# KiCad board sample013-sdi-mipi-video-converter.kicad_pcb (continued)
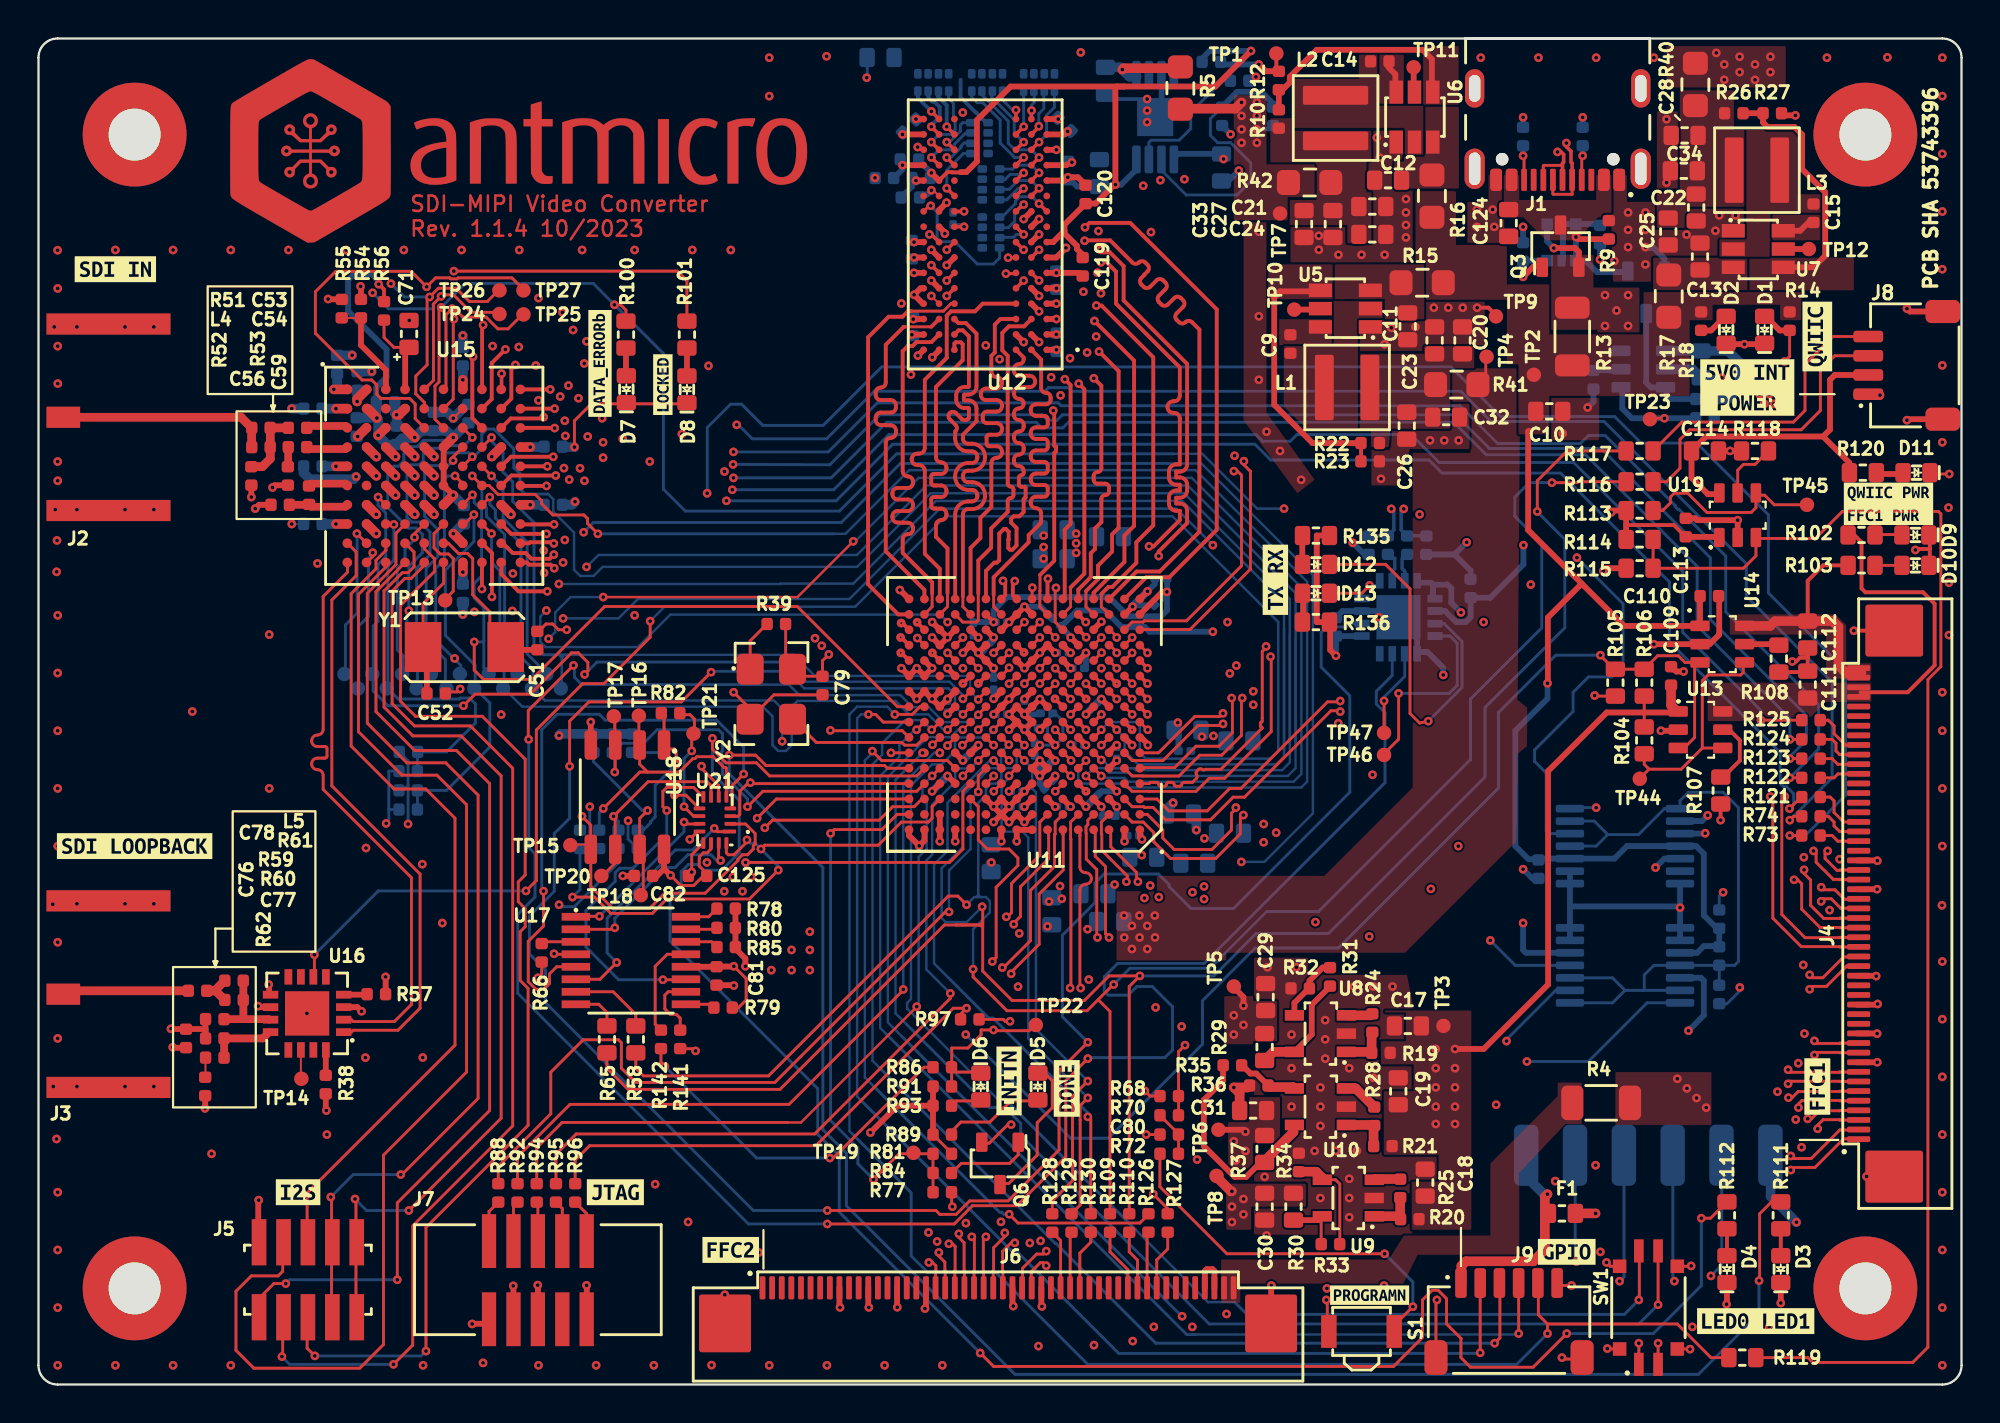
[diagram p0: board, top side]
## Placement (name value [footprint] x y rotation side) (continued)
R137  R_1k_0402  [R_0402_1005Metric]  19.22 30.9 180 bottom
R138  R_1k_0402  [R_0402_1005Metric]  19.22 29.9 0 bottom  (not fitted)
R139  R_1k_0402  [R_0402_1005Metric]  19.24 32.9 180 bottom
R140  R_1k_0402  [R_0402_1005Metric]  19.22 31.9 0 bottom  (not fitted)
R141  R_0R_0402  [R_0402_1005Metric]  33.37 17.95 90 top
R142  R_0R_0402  [R_0402_1005Metric]  32.37 17.95 270 top
S1  SW_B3U-3000PM  [SW_B3U-3000PM_SMD]  68.8 2.41 0 top
SW1  SW_CVS-02B  [SW_DIP_SPSTx02_Slide_Copal_CVS-02xB_W5.9mm_P1mm]  83.72 4 90 top
TP1  TP_0.75mm_SMD  [TP_SMD_0.75mm]  64.37 69.22 0 top
TP2  TP_0.75mm_SMD  [TP_SMD_0.75mm]  77.76 52.51 90 top
TP3  TP_0.75mm_SMD  [TP_SMD_0.75mm]  73.06 18.65 90 top
TP4  TP_0.75mm_SMD  [TP_SMD_0.75mm]  75.3 53.45 90 top
TP5  TP_0.75mm_SMD  [TP_SMD_0.75mm]  62.16 20.7 90 top
TP6  TP_0.75mm_SMD  [TP_SMD_0.75mm]  61.36 13.25 90 top
TP7  TP_0.75mm_SMD  [TP_SMD_0.75mm]  64.56 60.9 90 top
TP8  TP_0.75mm_SMD  [TP_SMD_0.75mm]  61.26 10.85 90 top
TP9  TP_0.75mm_SMD  [TP_SMD_0.75mm]  75.79 55.55 0 top
TP10  TP_0.75mm_SMD  [TP_SMD_0.75mm]  65.3 55.9 90 top
TP11  TP_0.75mm_SMD  [TP_SMD_0.75mm]  71.51 68.5 0 top
TP12  TP_0.75mm_SMD  [TP_SMD_0.75mm]  92.06 59.05 270 top
TP13  TP_0.75mm_SMD  [TP_SMD_0.75mm]  21.15 40.78 0 top
TP14  TP_0.75mm_SMD  [TP_SMD_0.75mm]  13.67 15.9 0 top
TP15  TP_0.75mm_SMD  [TP_SMD_0.75mm]  27.66 28.05 270 top
TP16  TP_0.75mm_SMD  [TP_SMD_0.75mm]  31.22 34.78 270 top
TP17  TP_0.75mm_SMD  [TP_SMD_0.75mm]  29.92 34.75 270 top
TP18  TP_0.75mm_SMD  [TP_SMD_0.75mm]  31.32 25.45 270 top
TP19  TP_0.75mm_SMD  [TP_SMD_0.75mm]  45.5 12.05 180 top
TP20  TP_0.75mm_SMD  [TP_SMD_0.75mm]  29.27 26.45 270 top
TP21  TP_0.75mm_SMD  [TP_SMD_0.75mm]  34.06 33.85 270 top
TP22  TP_0.75mm_SMD  [TP_SMD_0.75mm]  51.86 18.7 0 top
TP23  TP_0.75mm_SMD  [TP_SMD_0.75mm]  83.8 50.2 0 top
TP24  TP_0.75mm_SMD  [TP_SMD_0.75mm]  23.97 55.67 0 top
TP25  TP_0.75mm_SMD  [TP_SMD_0.75mm]  25.22 55.65 0 top
TP26  TP_0.75mm_SMD  [TP_SMD_0.75mm]  23.97 56.9 0 top
TP27  TP_0.75mm_SMD  [TP_SMD_0.75mm]  25.22 56.9 0 top
TP28  TP_0.75mm_SMD  [TP_SMD_0.75mm]  25.66 36.2 90 bottom
TP29  TP_0.75mm_SMD  [TP_SMD_0.75mm]  23.41 36.95 90 bottom
TP30  TP_0.75mm_SMD  [TP_SMD_0.75mm]  22.66 36.2 90 bottom
TP31  TP_0.75mm_SMD  [TP_SMD_0.75mm]  18.11 36.2 90 bottom
TP32  TP_0.75mm_SMD  [TP_SMD_0.75mm]  21.91 36.95 90 bottom
TP33  TP_0.75mm_SMD  [TP_SMD_0.75mm]  24.16 36.2 90 bottom
TP34  TP_0.75mm_SMD  [TP_SMD_0.75mm]  27.16 36.2 90 bottom
TP35  TP_0.75mm_SMD  [TP_SMD_0.75mm]  17.36 36.95 90 bottom
TP36  TP_0.75mm_SMD  [TP_SMD_0.75mm]  19.66 36.2 90 bottom
TP37  TP_0.75mm_SMD  [TP_SMD_0.75mm]  24.91 36.95 90 bottom
TP38  TP_0.75mm_SMD  [TP_SMD_0.75mm]  26.41 36.95 90 bottom
TP39  TP_0.75mm_SMD  [TP_SMD_0.75mm]  15.91 36.95 90 bottom
TP40  TP_0.75mm_SMD  [TP_SMD_0.75mm]  16.61 36.2 90 bottom
TP41  TP_0.75mm_SMD  [TP_SMD_0.75mm]  21.21 36.2 270 bottom
TP42  TP_0.75mm_SMD  [TP_SMD_0.75mm]  18.91 36.95 90 bottom
TP43  TP_0.75mm_SMD  [TP_SMD_0.75mm]  20.41 36.95 90 bottom
TP44  TP_0.75mm_SMD  [TP_SMD_0.75mm]  83.27 31.5 0 top
TP45  TP_0.75mm_SMD  [TP_SMD_0.75mm]  91.96 45.75 0 top
TP46  TP_0.75mm_SMD  [TP_SMD_0.75mm]  69.97 32.74 0 top
TP47  TP_0.75mm_SMD  [TP_SMD_0.75mm]  69.97 33.89 0 top
U1  MP20073DH  [MSOP-8-1EP_3x3x1.1mm_P0.65mm]  58.07 65.91 270 bottom
U2  LM339_TSSOP_Split  [TSSOP-14_4.4x5mm_P0.65mm]  82.5 21.8 180 bottom
U3  LM339_TSSOP_Split  [TSSOP-14_4.4x5mm_P0.65mm]  82.5 28 0 bottom
U4  DIO7553ST6  [SOT-23-6]  83.51 52.8 270 bottom
U5  AP62301WU-7  [TSOT23-6]  67.96 55.95 180 top
U6  AP62301WU-7  [TSOT23-6]  71.55 65.91 90 top
U7  AP62301WU-7  [TSOT23-6]  89.43 59.05 0 top
U8  AP7330-W5-7  [SOT-23-5]  66.66 18.25 180 top
U9  AP7330-W5-7  [SOT-23-5]  68.11 9.7 180 top
U10  AP7330-W5-7  [SOT-23-5]  66.66 14.45 180 top
U11  LIFCL-40-9BG256C  [BGA-256_14x14mm_Layout16x16_P0.8mm]  51.27 34.85 180 top
U12  MT41K128M16JT-125_K  [BGA-96-48_8x14mm_Layout16x9_P0.8mm]  49.23 59.81 180 top
U13  DIO7553ST6  [SOT-23-6]  86.37 34.05 270 top
U14  DIO7553ST6  [SOT-23-6]  87.5 38.5 270 top
U15  GS2971A  [BGA-100_11x11mm_Layout10x10_P1mm]  20.58 47.26 0 top
U16  GS2988  [QFN-16-1EP_4x4mm_P0.65mm]  13.97 19.3 180 top
U17  SC18IS602BIPW  [TSSOP-16_4.4x5mm_P0.65mm]  30.76 22.05 0 top
U18  W25Q32JVSSIQ  [SOIC-8_3.9x4.9x1.75mm_P1.27mm]  30.62 30.55 270 top
U19  DIO7553ST6  [SOT-23-6]  88.36 45.15 0 top
U20  FT230X_QFN  [QFN-16-1EP_4x4mm_P0.65mm]  70.72 39.9 0 bottom
U21  TMUX1574RSVR  [UQFN-16-1.8x2.6mm_P0.4mm_Texas_RSV0016A]  35.17 29.36 180 top
Y1  Oscillator_SMD_27MHz_ABM7  [Resonator_SMD_Abracon_ABM7_6x3.5x1.4mm]  22.15 38.35 0 top
Y2  Oscillator_SMD_40MHz_OSC-S5  [Oscillator_SMD_YIC_OSC-S5_5x3.2mm]  38.11 35.9 0 top

## Library data of the parts
C1-C3 C6 C9 C14 C15 C41-C50 C60-C64 C66-C70 C72-C74 C79-C82 C109 C110 C113 C119 C120 C122 C123 C125 = -: Datasheet: https://www.murata.com/products/productdetail?partno=GRM155R61H104KE14%23; Description: SMD Multilayer Ceramic Capacitor, 0.1 µF, 50 V, 0402 [1005 Metric], ± 10%, X5R, GRM Series; Author: Antmicro; Dielectric: X5R; License: Apache-2.0; MPN: GRM155R61H104KE14D; Manufacturer: Murata; Val: 100n; Voltage: 50V
C4 C17-C19 C29 C30 C111 C112 C114 C124 = -: Datasheet: https://spicat.kyocera-avx.com/product/mlcc/chartview/0603YD105KAT2A/; Description: SMD Multilayer Ceramic Capacitor, 1 µF, 16 V, 0603 [1608 Metric], ± 10%, X5R, AVX 0603 MLCC; Author: Antmicro; License: Apache-2.0; MPN: 0603YD105KAT2A; Manufacturer: KYOCERA AVX; Val: 1u
C5 C7 C8 C20-C28 C32-C34 = -: Datasheet: https://www.murata.com/products/productdetail?partno=GRM188R60J226MEA0%23; Description: SMD Multilayer Ceramic Capacitor, 22 µF, 6.3 V, 0603 [1608 Metric], ± 20%, X5R, GRM Series; Author: Antmicro; License: Apache-2.0; MPN: GRM188R60J226MEA0D; Manufacturer: Murata; Val: 22u
C10-C13 C31 C86-C92 C108 C116 = -: Datasheet: https://www.murata.com/products/productdetail?partno=GRM188R61A106KE69%23; Description: SMD Multilayer Ceramic Capacitor, 10 µF, 10 V, 0603 [1608 Metric], ± 10%, X5R, GRM Series; Author: Antmicro; License: Apache-2.0; MPN: GRM188R61A106KE69D; Manufacturer: Murata; Val: 10u; Dielectric: template_dielectric
C16 C35-C40 C58 C65 C75 C83-C85 C93-C107 C115 C118 = -: Datasheet: https://www.yageo.com/en/Chart/Download/pdf/CC0201KRX6S5BB104; Description: SMD Multilayer Ceramic Capacitor, 0.1 µF, 6.3 V, 0201 [0603 Metric], ± 10%, X6S, CC Series; Author: Antmicro; License: Apache-2.0; MPN: CC0201KRX6S5BB104; Manufacturer: YAGEO; Val: 100n; Public: False
C51 C52 = -: Datasheet: https://spicat.kyocera-avx.com/product/mlcc/chartview/04025A330FAT2A/; Description: SMD Multilayer Ceramic Capacitor, 33 pF, 50 V, 0402 [1005 Metric], ± 5%, C0G / NP0, MC; Author: Antmicro; License: Apache-2.0; MPN: 04025A330FAT2A; Manufacturer: KYOCERA AVX; Val: 33p
C53 C54 C57 = -: Datasheet: https://product.tdk.com/en/search/capacitor/ceramic/mlcc/info?part_no=C1005X6S1A105K050BC; Description: SMD Multilayer Ceramic Capacitor, 1 µF, 10 V, 0402 [1005 Metric], ± 10%, X6S, C; Author: Antmicro; License: Apache-2.0; MPN: C1005X6S1A105K050BC; Manufacturer: TDK; Val: 1u
C55 = -: Datasheet: https://www.murata.com/en-us/products/productdetail?partno=GRM155R61C473KA01%23; Description: SMD Multilayer Ceramic Capacitor, 47000 pF, 16 V, 0402 [1005 Metric], ± 10%, X5R, MC; Author: Antmicro; License: Apache-2.0; MPN: GRM155R61C473KA01D; Manufacturer: Murata; Val: 47n
C56 C59 = -: Datasheet: https://product.tdk.com/en/search/capacitor/ceramic/mlcc/info?part_no=C1005X5R1E474M050BB; Description: SMD Multilayer Ceramic Capacitor, 0.47 µF, 25 V, 0402 [1005 Metric], ± 20%, X5R, C; Author: Antmicro; License: Apache-2.0; MPN: C1005X5R1E474M050BB; Manufacturer: TDK; Val: 470n
C71 = -: Datasheet: https://spicat.kyocera-avx.com/product/tan/chartview/F980G336MMA/; Description: Surface Mount Tantalum Capacitor, 33 µF, 4 V, 0603 [1608 Metric], ± 20%, 4 ohm, M; Author: Antmicro; Dielectric: template_dielectric; License: Apache-2.0; MPN: F980G336MMA; Manufacturer: KYOCERA AVX; Val: 33u; Voltage: 4V
C76 = -: Datasheet: https://www.murata.com/products/productdetail?partno=GRM155R71H103KA88%23; Description: SMD Multilayer Ceramic Capacitor, 10000 pF, 50 V, 0402 [1005 Metric], ± 10%, X7R, GRM Series; Author: Antmicro; Dielectric: X7R; License: Apache-2.0; MPN: GRM155R71H103KA88D; Manufacturer: Murata; Val: 10n; Voltage: 50V
C77 C78 = -: Datasheet: https://www.murata.com/products/productdetail?partno=GRM155R61A475MEAA%23; Description: SMD Multilayer Ceramic Capacitor, 4.7 µF, 10 V, 0402 [1005 Metric], ± 20%, X5R, GRM Series; Author: Antmicro; License: Apache-2.0; MPN: GRM155R61A475MEAAD; Manufacturer: Murata; Val: 4u7
C117 C121 = -: Datasheet: https://www.kemet.com/en/us/capacitors/product/C0402C470J5GACTU.html; Description: SMD Multilayer Ceramic Capacitor, 47 pF, 50 V, 0402 [1005 Metric], ± 5%, C0G / NP0, C Series KEMET; Author: Antmicro; Dielectric: C0G; License: Apache-2.0; MPN: C0402C470J5GACTU; Manufacturer: KEMET; Val: 47p
D1-D5 D7-D13 = -: Datasheet: https://media.digikey.com/pdf/Data%20Sheets/Lite-On%20PDFs/LTST-C190GKT.pdf; Description: LED, Green, SMD, 0603, 20 mA, 2.1 V, 569 nm; Author: Antmicro; License: Apache-2.0; MPN: LTST-C190GKT; Manufacturer: Lite-On; Color: Green
D6 = -: Datasheet: https://optoelectronics.liteon.com/upload/download/DS-22-99-0151/LTST-C190KRKT.pdf; Description: LED, Red, SMD, 0603, 25 mA, 2 V, 631 nm; Author: Antmicro; License: Apache-2.0; MPN: LTST-C190KRKT; Manufacturer: Lite-On; Color: Red
F1 = -: Datasheet: https://www.littelfuse.com/~/media/electronics/datasheets/fuses/littelfuse_fuse_467_datasheet.pdf.pdf; Description: Fuse, Surface Mount, 1.25 A, Very Fast Acting, 32 V, 32 V, 0603 (1608 Metric), 467; Author: Antmicro; License: Apache-2.0; MPN: 04671.25NR; Manufacturer: Littelfuse
FB1-FB5 = -: Datasheet: https://www.murata.com/en-us/products/productdata/8796738650142/ENFA0003.pdf; Description: Ferrite Bead, 0603 [1608 Metric], 120 ohm, 2 A, BLM18P, 0.05 ohm, ± 25%, DC power line; Author: Antmicro; License: Apache-2.0; MPN: BLM18PG121SN1D; Manufacturer: Murata; Val: 120Z/2A
J1 = -: Datasheet: https://gct.co/files/drawings/usb4105.pdf; Description: USB-C (USB TYPE-C) USB 2.0 Receptacle Connector 24 (16+8 Dummy) Position Surface Mount, Right Angle; Author: Antmicro; License: Apache-2.0; MPN: USB4105-GF-A; Manufacturer: GCT
J2 J3 = -: Datasheet: https://www.farnell.com/cad/2305565.pdf?_ga=2.190633003.1014497200.1574067480-156563690.1566371002&_gac=1.57062104.1572875319.Cj0KCQiAtf_tBRDtARIsAIbAKe0A1M5y_jdFCiNLNrHM5L2GjmDvn_4qnRvhHAD9jBdL9AmoMNThLCoaAjhJEALw_wcB; Description: RF / Coaxial Connector, BNC Coaxial, Straight Bulkhead Jack, Board Edge / End Launch, 75 ohm; Author: Antmicro; License: Apache-2.0; MPN: 031-70526-21; Manufacturer: Amphenol; ki_fp_filters: *BNC* *SMA* *SMB* *SMC* *Cinch*
J4 J6 = -: Datasheet: https://www.we-online.com/components/products/datasheet/68715014522.pdf; Description: FFC connector; Author: Antmicro; License: Apache-2.0; MPN: 68715014522; Manufacturer: Würth Elektronik
J5 = -: Datasheet: https://eu.mouser.com/datasheet/2/527/ftsh_th-2854322.pdf; Description: Pin Header, Board-to-Board, Wire-to-Board, 1.27 mm, 2 Rows, 10 Contacts, Surface Mount, FTSH; Author: Antmicro; License: Apache-2.0; MPN: FTSH-105-01-F-DV; Manufacturer: Samtec
J7 = -: Datasheet: https://eu.mouser.com/datasheet/2/527/shf-1370134.pdf; Description: Headers & Wire Housings Shrouded Terminal Strip, 0.050" pitch; Author: Antmicro; License: Apache-2.0; MPN: SHF-105-01-L-D-SM; Manufacturer: Samtec
J8 = -: Datasheet: https://www.jst-mfg.com/product/pdf/eng/eSH.pdf; Description: Pin Header, Right Angle, Wire-to-Board, 1 mm, 1 Rows, 4 Contacts, Surface Mount Right Angle, SH; Author: Antmicro; License: Apache-2.0; MPN: SM04B-SRSS-TB(LF)(SN); Manufacturer: JST Automotive Connectors
J9 = -: Datasheet: https://www.jst-mfg.com/product/pdf/eng/eSH.pdf; Description: Pin Header, Right Angle, Wire-to-Board, 1 mm, 1 Rows, 6 Contacts, Surface Mount Right Angle, SR; Author: Antmicro; License: Apache-2.0; MPN: SM06B-SRSS-TB(LF)(SN); Manufacturer: JST Automotive Connectors
J10 = -: Datasheet: https://www.mouser.com/datasheet/2/527/tsm-2854655.pdf; Description: Connector Header Surface Mount, Right Angle 6 position 0.100" (2.54mm); Author: Antmicro; License: Apache-2.0; MPN: TSM-106-01-T-SH; Manufacturer: Samtec
L1-L3 = -: Datasheet: https://www.coilcraft.com/getmedia/8245f050-f190-4295-8c41-7c03d662ee3d/xel4030.pdf; Description: Power Inductor (SMT), AEC-Q200, 3.3 µH, 6.6 A, Shielded, 5.9 A, XEL4030; Author: Antmicro; IMax: 6.6 A; ISat: 5.9 A; License: Apache-2.0; MPN: XEL4030-332MEC; Manufacturer: Coilcraft; Size: 4.0x4.0; Val: 3u3/6.6A
L4 L5 = -: Datasheet: https://www.mouser.com/datasheet/2/281/1/JELF243A_0050-1380872.pdf; Description: Wirewound Inductor, 6.2 nH, 0.09 ohm, 8 GHz, 700 mA, 0402 [1005 Metric], LQW; Author: Antmicro; IMax: 0.7 A; License: Apache-2.0; MPN: LQW15AN6N2C00D; Manufacturer: Murata; Size: 1.0x0.5; Val: 6n2/0.7A
MP1-MP4 = -: Description: Mechanical part; Author: Antmicro; License: Apache-2.0
Q1 Q6 = -: Datasheet: https://www.onsemi.com/pub/Collateral/NDS7002A-D.PDF; Description: Power MOSFET, N Channel, 60 V, 115 mA, 1.2 ohm, SOT-23, Surface Mount; Author: Antmicro; License: Apache-2.0; MPN: 2N7002; Manufacturer: ON Semiconductor
Q2 = -: Datasheet: https://www.diodes.com/assets/Datasheets/BCM857BS.pdf; Description: Bipolar (BJT) Transistor Array, 2 Transistors, PNP, 45V, 100mA, SOT-363, Surface Mount; Author: Antmicro; License: Apache-2.0; Manufacturer: Diodes Incorporated
Q3 = -: Datasheet: http://aosmd.com/res/data_sheets/AO3401A.pdf; Description: Power MOSFET, P Channel, 30 V, 4 A, 0.07 ohm, SOT-23, Surface Mount; Author: Antmicro; License: Apache-2.0; Manufacturer: AOSMD
R1 R54 R55 = -: Datasheet: https://www.bourns.com/docs/product-datasheets/cr.pdf; Description: SMD Chip Resistor, 100 kohm, ± 1%, 62.5 mW, 0402 [1005 Metric], Thick Film, General Purpose; Author: Antmicro; License: Apache-2.0; MPN: CR0402-FX-1003GLF; Manufacturer: Bourns; Tolerance: 1%; Val: 100k
R2 R6 R9 R23 R27 R32 R63 R64 R68 R81 R91 R97-R99 = -: Datasheet: https://www.bourns.com/docs/product-datasheets/cr.pdf; Description: SMD Chip Resistor, 10 kohm, ± 1%, 62.5 mW, 0402 [1005 Metric], Thick Film, General Purpose; Author: Antmicro; License: Apache-2.0; MPN: CR0402-FX-1002GLF; Manufacturer: Bourns; Tolerance: 1%; Val: 10k
R3 R79 R137-R140 = -: Datasheet: https://www.bourns.com/docs/product-datasheets/cr.pdf; Description: SMD Chip Resistor, 1 kohm, ± 1%, 63 mW, 0402 [1005 Metric], Thick Film, General Purpose; Author: Antmicro; License: Apache-2.0; MPN: CR0402-FX-1001GLF; Manufacturer: Bourns; Tolerance: 1%; Val: 1k
R4 R13 = -: Datasheet: https://www.farnell.com/datasheets/2860635.pdf; Description: Zero Ohm Resistor, Jumper, 1206 [3216 Metric], Thick Film, 250 mW, 2 A, Surface Mount Device; Author: Antmicro; Current: 2A; License: Apache-2.0; MPN: MCMR12X000_PTL; Manufacturer: Multicomp Pro; Val: 0R
R5 R15-R17 R40-R42 = -: Datasheet: https://www.vishay.com/docs/20035/dcrcwe3.pdf; Description: Zero Ohm Resistor, Jumper, 0805 [2012 Metric], Thick Film, 125 mW, 2.5 A, Surface Mount Device; Author: Antmicro; Current: 2.5A; License: Apache-2.0; MPN: CRCW08050000Z0EA; Manufacturer: Vishay; Val: 0R
R7 = -: Datasheet: https://www.bourns.com/docs/product-datasheets/cr.pdf; Description: SMD Chip Resistor, 22 ohm, ± 1%, 62.5 mW, 0402 [1005 Metric], Thick Film, General Purpose; Author: Antmicro; License: Apache-2.0; MPN: CR0402-FX-22R0GLF; Manufacturer: Bourns; Tolerance: 1%; Val: 22R
R8 R11 = -: Datasheet: https://www.bourns.com/docs/product-datasheets/cr.pdf; Description: SMD Chip Resistor, 5.1 kohm, ± 1%, 63 mW, 0402 [1005 Metric], Thick Film, General Purpose; Author: Antmicro; License: Apache-2.0; MPN: CR0402-FX-5101GLF; Manufacturer: Bourns; Tolerance: 1%; Val: 5k1
R10 = -: Datasheet: https://www.bourns.com/docs/product-datasheets/cr.pdf; Description: SMD Chip Resistor, 1.3 kohm, ± 1%, 62.5 mW, 0402 [1005 Metric], Thick Film, General Purpose; Author: Antmicro; License: Apache-2.0; MPN: CR0402-FX-1301GLF; Manufacturer: Bourns; Tolerance: 1%; Val: 1k3
R12 = -: Datasheet: https://www.bourns.com/docs/product-datasheets/cr.pdf; Description: SMD Chip Resistor, 1.5 kohm, ± 1%, 62.5 mW, 0402 [1005 Metric], Thick Film, General Purpose; Author: Antmicro; License: Apache-2.0; MPN: CR0402-FX-1501GLF; Manufacturer: Bourns; Tolerance: 1%; Val: 1k5
R14 R18 = -: Datasheet: https://www.bourns.com/docs/product-datasheets/cr.pdf; Description: SMD Chip Resistor, 470 ohm, ± 1%, 62.5 mW, 0402 [1005 Metric], Thick Film, General Purpose; Author: Antmicro; License: Apache-2.0; MPN: CR0402-FX-4700GLF; Manufacturer: Bourns; Tolerance: 1%; Val: 470R
R19-R21 R24 R25 R28 R38 R39 R66 R69 R71 R73-R78 R80 R82 R85 R86 R88 R92 R94-R96 R109 R110 R121-R130 R141 R142 = -: Datasheet: https://industrial.panasonic.com/cdbs/www-data/pdf/RDA0000/AOA0000C301.pdf; Description: SMD Chip Resistor, Jumper, 0 ohm, 100 mW, 0402 [1005 Metric], Thick Film, General Purpose; Author: Antmicro; Current: 1A; License: Apache-2.0; MPN: ERJ2GE0R00X; Manufacturer: Panasonic; Val: 0R
R22 R31 = -: Datasheet: https://www.bourns.com/docs/product-datasheets/cr.pdf; Description: SMD Chip Resistor, 3.01 kohm, ± 1%, 62.5 mW, 0402 [1005 Metric], Thick Film, General Purpose; Author: Antmicro; License: Apache-2.0; MPN: CR0402-FX-3011GLF; Manufacturer: Bourns; Tolerance: 1%; Val: 3k01
R26 = -: Datasheet: https://www.bourns.com/docs/product-datasheets/cr.pdf; Description: SMD Chip Resistor, 33 kohm, ± 1%, 62.5 mW, 0402 [1005 Metric], Thick Film, General Purpose; Author: Antmicro; License: Apache-2.0; MPN: CR0402-FX-3302GLF; Manufacturer: Bourns; Tolerance: 1%; Val: 33k
R29 R30 R37 R58 R65 R116 R117 R119 = -: Datasheet: https://www.bourns.com/docs/product-datasheets/cr.pdf?sfvrsn=574d41f6_14; Description: Zero Ohm Resistor, Jumper, 0603 [1608 Metric], Thick Film, 100 mW, 1 A, Surface Mount Device, CR; Author: Antmicro; Current: 1A; License: Apache-2.0; MPN: CR0603-J/-000ELF; Manufacturer: Bourns; Val: 0R
R33 = -: Datasheet: https://www.bourns.com/docs/product-datasheets/cr.pdf; Description: SMD Chip Resistor, 12 kohm, ± 1%, 62.5 mW, 0402 [1005 Metric], Thick Film, General Purpose; Author: Antmicro; License: Apache-2.0; MPN: CR0402-FX-1202GLF; Manufacturer: Bourns; Tolerance: 1%; Val: 12k
R34 = -: Datasheet: https://www.bourns.com/docs/product-datasheets/cr.pdf; Description: SMD Chip Resistor, 24 kohm, ± 1%, 100 mW, 0402 [1005 Metric], Thick Film, Precision; Author: Antmicro; License: Apache-2.0; MPN: CR0402-FX-2402GLF; Manufacturer: Bourns; Tolerance: 1%; Val: 24k
R35 = -: Datasheet: https://www.bourns.com/docs/product-datasheets/cr.pdf; Description: SMD Chip Resistor; Author: Antmicro; License: Apache-2.0; MPN: CR0402-FX-1872GLF; Manufacturer: Bourns; Tolerance: 1%; Val: 18k7
R36 = -: Datasheet: https://www.bourns.com/docs/product-datasheets/cr.pdf; Description: SMD Chip Resistor, 15 kohm, ± 1%, 62.5 mW, 0402 [1005 Metric], Thick Film, General Purpose; Author: Antmicro; License: Apache-2.0; MPN: CR0402-FX-1502GLF; Manufacturer: Bourns; Tolerance: 1%; Val: 15k
R43 = -: Datasheet: https://www.bourns.com/docs/product-datasheets/cr-a-as.pdf; Description: SMD Chip Resistor, 100 ohm, ± 1%, 50 mW, 0201 [0603 Metric], Thick Film, Sulfur Resistant; Author: Antmicro; License: Apache-2.0; MPN: CR0201AFW-1000GAS; Manufacturer: Bourns; Tolerance: 1%; Val: 100R
R44-R46 R48-R50 = -: Datasheet: http://industrial.panasonic.com/cdbs/www-data/pdf/AOC0000/AOC0000C14.pdf; Description: Fixed Network Resistor, 51 ohm, Isolated, 4 Resistors, 0804 [2010 Metric], Convex, ± 5%; Author: Antmicro; License: Apache-2.0; MPN: EXB28V510JX; Manufacturer: Panasonic; Val: R_4x51R_0402
R47 = -: Datasheet: https://www.bourns.com/docs/product-datasheets/cr.pdf; Description: SMD Chip Resistor, 240 ohm, ± 1%, 63 mW, 0402 [1005 Metric], Thick Film, General Purpose; Author: Antmicro; License: Apache-2.0; MPN: CR0402-FX-2400GLF; Manufacturer: Bourns; Tolerance: 1%; Val: 240R
R51 R52 R59-R62 = -: Datasheet: https://www.bourns.com/docs/product-datasheets/cr.pdf; Description: SMD Chip Resistor, 75 ohm, ± 1%, 62.5 mW, 0402 [1005 Metric], Thick Film, General Purpose; Author: Antmicro; License: Apache-2.0; MPN: CR0402-FX-75R0GLF; Manufacturer: Bourns; Tolerance: 1%; Val: 75R
R53 = -: Datasheet: https://www.bourns.com/docs/product-datasheets/cr.pdf; Description: SMD Chip Resistor, 37.4 ohm, ± 1%, 100 mW, 0402 [1005 Metric], Thick Film, Precision; Author: Antmicro; License: Apache-2.0; MPN: CR0402-FX-37R4GLF; Manufacturer: Bourns; Tolerance: 1%; Val: 37R4
R56 = -: Datasheet: https://www.bourns.com/docs/product-datasheets/cr.pdf; Description: SMD Chip Resistor, 105 ohm, ± 1%, 62.5 mW, 0402 [1005 Metric], Thick Film, General Purpose; Author: Antmicro; License: Apache-2.0; MPN: CR0402-FX-1050GLF; Manufacturer: Bourns; Tolerance: 1%; Val: 105R
R57 = -: Datasheet: https://www.bourns.com/docs/product-datasheets/cr.pdf; Description: SMD Chip Resistor, 750 ohm, ± 1%, 63 mW, 0402 [1005 Metric], Thick Film, General Purpose; Author: Antmicro; License: Apache-2.0; MPN: CR0402-FX-7500GLF; Manufacturer: Bourns; Tolerance: 1%; Val: 750R
R70 R72 R84 = -: Datasheet: https://www.bourns.com/docs/product-datasheets/cr.pdf; Description: SMD Chip Resistor, 100 ohm, ± 1%, 62.5 mW, 0402 [1005 Metric], Thick Film, General Purpose; Author: Antmicro; License: Apache-2.0; MPN: CR0402-FX-1000GLF; Manufacturer: Bourns; Tolerance: 1%; Val: 100R
R83 R87 R90 = -: Datasheet: https://www.bourns.com/docs/product-datasheets/cr.pdf; Description: SMD Chip Resistor, 4.7 kohm, ± 1%, 62.5 mW, 0402 [1005 Metric], Thick Film, General Purpose; Author: Antmicro; License: Apache-2.0; MPN: CR0402-FX-4701GLF; Manufacturer: Bourns; Tolerance: 1%; Val: 4k7
R89 R93 = -: Datasheet: https://www.bourns.com/docs/product-datasheets/cr.pdf; Description: SMD Chip Resistor, 2.2 kohm, ± 1%, 62.5 mW, 0402 [1005 Metric], Thick Film, General Purpose; Author: Antmicro; License: Apache-2.0; MPN: CR0402-FX-2201GLF; Manufacturer: Bourns; Tolerance: 1%; Val: 2k2
R100-R102 R111 R112 R120 R135 R136 = -: Datasheet: https://www.bourns.com/docs/product-datasheets/cr.pdf; Description: SMD Chip Resistor, 200 ohm, ± 1%, 100 mW, 0603 [1608 Metric], Thick Film, General Purpose; Author: Antmicro; License: Apache-2.0; MPN: CR0603-FX-2000ELF; Manufacturer: Bourns; Tolerance: 1%; Val: 200R
R103 = -: Datasheet: https://www.bourns.com/docs/product-datasheets/cr.pdf; Description: SMD Chip Resistor, 470 ohm, ± 1%, 100 mW, 0603 [1608 Metric], Thick Film, General Purpose; Author: Antmicro; License: Apache-2.0; MPN: CR0603-FX-4700ELF; Manufacturer: Bourns; Tolerance: 1%; Val: 470R
R104-R106 R113-R115 = -: Datasheet: https://www.bourns.com/docs/product-datasheets/cr.pdf; Description: SMD Chip Resistor, 10 kohm, ± 1%, 100 mW, 0603 [1608 Metric], Thick Film, General Purpose; Author: Antmicro; License: Apache-2.0; MPN: CR0603-FX-1002ELF; Manufacturer: Bourns; Tolerance: 1%; Val: 10k
R107 R108 R118 = -: Datasheet: https://www.bourns.com/docs/product-datasheets/cr.pdf; Description: SMD Chip Resistor, 15 kohm, ± 1%, 100 mW, 0603 [1608 Metric], Thick Film, General Purpose; Author: Antmicro; License: Apache-2.0; MPN: CR0603-FX-1502ELF; Manufacturer: Bourns; Tolerance: 1%; Val: 15k
R133 R134 = -: Datasheet: https://www.bourns.com/docs/product-datasheets/cr.pdf; Description: SMD Chip Resistor, 27 ohm, ± 1%, 63 mW, 0402 [1005 Metric], Thick Film, General Purpose; Author: Antmicro; License: Apache-2.0; MPN: CR0402-FX-27R0GLF; Manufacturer: Bourns; Tolerance: 1%; Val: 27R
S1 = -: Datasheet: http://www.farnell.com/datasheets/2610940.pdf; Description: Tactile Switch SPST-NO Side Actuated Surface Mount, Right Angle; Author: Antmicro; License: Apache-2.0; MPN: B3U-3000PM; Manufacturer: Omron
SW1 = -: Datasheet: https://www.mouser.com/datasheet/2/972/cvs-1827291.pdf; Description: Slide switch, 2-position SMD Slide switch, 2-channel; Author: Antmicro; License: Apache-2.0; MPN: CVS-02B; Manufacturer: Nidec Components; ki_fp_filters: SW?DIP?x2*
TP1-TP47 = -: Description: SMT test point; Author: Antmicro; License: Apache-2.0
U1 = -: Datasheet: https://www.farnell.com/datasheets/2915039.pdf; Description: DDR Termination Regulator, DDR2, DDR3, 1.3V to 6V in, 2A, MSOP-EP-8; Author: Antmicro; License: Apache-2.0; MPN: MP20073DH-LF-P; Manufacturer: Monolithic Power Systems
U2 U3 = -: Datasheet: https://www.ti.com/lit/ds/symlink/lm339b.pdf?ts=1679641364820&ref_url=https%253A%252F%252Fwww.google.com%252F; Description: Analogue Comparator, Differential, 4 Comparators, 300 ns, 2V to 36V, TSSOP, 14 Pins; Author: Antmicro; License: Apache-2.0; MPN: LM339PW; Manufacturer: Texas Instruments
U4 U13 U14 U19 = -: Datasheet: https://www.mouser.com/datasheet/2/802/7e5c577022fb784effcb3cdb25b437c0-1815562.pdf; Description: Power switch; Author: Antmicro; License: Apache-2.0; Manufacturer: DIOO Microcircuits
U5-U7 = -: Datasheet: https://www.diodes.com/assets/Datasheets/AP62300_AP62301_AP62300T.pdf; Description: DC-DC Switching Synchronous Buck Regulator, Adjustable, 4.2V-18Vin, 0.8V-7V/3A out, TSOT-26-6; Author: Antmicro; License: Apache-2.0; Manufacturer: Diodes Incorporated
U8-U10 = -: Datasheet: https://www.diodes.com/assets/Datasheets/AP7330.pdf; Description: Voltage regulator; Author: Antmicro; License: Apache-2.0; Manufacturer: Diodes Incorporated
U11 = -: Datasheet: https://www.latticesemi.com/-/media/LatticeSemi/Documents/DataSheets/CrossLink/FPGA-DS-02007-2-1-CrossLink-Family-Data-Sheet.ashx?document_id=51662; Description: CrossLink-NX™ Field Programmable Gate Array 256-LFBGA; Author: Antmicro; License: Apache-2.0; Manufacturer: Lattice Semiconductor
U12 = -: Datasheet: https://www.mouser.com/datasheet/2/671/mict_s_a0002296722_1-2290882.pdf; Description: SDRAM - DDR3L Memory IC 2Gbit Parallel 800 MHz 13.75 ns 96-FBGA (8x14); Author: Antmicro; License: Apache-2.0; MPN: MT41K128M16JT-125:K; Manufacturer: Micron Technology
U15 = -: Datasheet: https://semtech.my.salesforce.com/sfc/p/#E0000000JelG/a/44000000MD3i/kpmMkrmUWgHlbCOwdLzVohMm1SDPoVH85guEGK.KXTc; Description: SDI receiver; Author: Antmicro; License: Apache-2.0; Manufacturer: Semtech
U16 = -: Datasheet: https://semtech.my.salesforce.com/sfc/p/#E0000000JelG/a/44000000MDIY/URmNPYk6YrvngFjCh2n.ZRVsjLb90QOH1YLezdH9vhM; Description: SDI driver; Author: Antmicro; License: Apache-2.0; MPN: GS2988-INE3; Manufacturer: Semtech
U17 = -: Datasheet: https://www.nxp.com/docs/en/data-sheet/SC18IS602B.pdf; Description: I²C Controller SPI Interface 16-TSSOP; Author: Antmicro; License: Apache-2.0; Manufacturer: NXP
U18 = -: Author: Antmicro; License: Apache-2.0; Manufacturer: Winbond
U20 = -: Datasheet: https://ftdichip.com/wp-content/uploads/2021/10/DS_FT230X.pdf; Description: USB Interface, USB-UART Converter, USB 2.0, 2.97 V, 5.5 V, QFN, 16 Pins; Author: Antmicro; License: Apache-2.0; MPN: FT230XQ-R; Manufacturer: FTDI Chip
U21 = -: Datasheet: https://www.ti.com/lit/ds/symlink/tmux1574.pdf?ts=1672927977241&ref_url=https%253A%252F%252Fwww.ti.com%252Fproduct%252FTMUX1574%253FHQS%253DTI-null-null-octopart-df-pf-xrefTI-wwe; Description: Analogue switch; Author: Antmicro; License: Apache-2.0; Manufacturer: Texas Instruments
Y1 = -: Datasheet: https://abracon.com/Resonators/abm7.pdf; Description: Crystal, 27 MHz, SMD, 6mm x 3.5mm, 30 ppm, 18 pF, 20 ppm, ABM7; Author: Antmicro; License: Apache-2.0; MPN: ABM7-27.000MHZ-D2Y-T; Manufacturer: Abracon; Val: 27 MHz
Y2 = -: Datasheet: https://www.tme.eu/Document/456c7b2975a812de7905406dd4f750d9/YIC-S5.pdf; Description: Generator: quartz, 40MHz, SMD, 3.3V, ±50ppm, -20÷70°C, 5x3.2x1.3mm; Author: Antmicro; License: Apache-2.0; MPN: OSC40M-3.3/S5; Manufacturer: YIC; Val: 40 MHz

## Footprints (pads in the part's own frame, mm; a bottom-side part is the same pattern mirrored in y, then rotated)
BGA-96-48_8x14mm_Layout16x9_P0.8mm
  round 0.35 smd: A1(-3.201,6) A2(-2.4,6) A3(-1.601,6) A7(1.6,6) A8(2.399,6) A9(3.2,6) B1(-3.201,5.201) B2(-2.4,5.201) B3(-1.601,5.201) B7(1.6,5.201) B8(2.399,5.201) B9(3.2,5.201) C1(-3.201,4.401) C2(-2.4,4.401) C3(-1.601,4.401) C7(1.6,4.401) C8(2.399,4.401) C9(3.2,4.401) D1(-3.201,3.601) D2(-2.4,3.601) D3(-1.601,3.601) D7(1.6,3.601) D8(2.399,3.601) D9(3.2,3.601) E1(-3.201,2.8) E2(-2.4,2.8) E3(-1.601,2.8) E7(1.6,2.8) E8(2.399,2.8) E9(3.2,2.8) F1(-3.201,2) F2(-2.4,2) F3(-1.601,2) F7(1.6,2) F8(2.399,2) F9(3.2,2) G1(-3.201,1.2) G2(-2.4,1.2) G3(-1.601,1.2) G7(1.6,1.2) G8(2.399,1.2) G9(3.2,1.2) H1(-3.201,0.401) H2(-2.4,0.401) H3(-1.601,0.401) H7(1.6,0.401) H8(2.399,0.401) H9(3.2,0.401) J1(-3.201,-0.4) J2(-2.4,-0.4) J3(-1.601,-0.4) J7(1.6,-0.4) J8(2.399,-0.4) J9(3.2,-0.4) K1(-3.201,-1.199) K2(-2.4,-1.199) K3(-1.601,-1.199) K7(1.6,-1.199) K8(2.399,-1.199) K9(3.2,-1.199) L1(-3.201,-1.999) L2(-2.4,-1.999) L3(-1.601,-1.999) L7(1.6,-1.999) L8(2.399,-1.999) L9(3.2,-1.999) M1(-3.201,-2.799) M2(-2.4,-2.799) M3(-1.601,-2.799) M7(1.6,-2.799) M8(2.399,-2.799) M9(3.2,-2.799) N1(-3.201,-3.6) N2(-2.4,-3.6) N3(-1.601,-3.6) N7(1.6,-3.6) N8(2.399,-3.6) N9(3.2,-3.6) P1(-3.201,-4.4) P2(-2.4,-4.4) P3(-1.601,-4.4) P7(1.6,-4.4) P8(2.399,-4.4) P9(3.2,-4.4) R1(-3.201,-5.2) R2(-2.4,-5.2) R3(-1.601,-5.2) R7(1.6,-5.2) R8(2.399,-5.2) R9(3.2,-5.2) T1(-3.201,-5.999) T2(-2.4,-5.999) T3(-1.601,-5.999) T7(1.6,-5.999) T8(2.399,-5.999) T9(3.2,-5.999)
BGA-100_11x11mm_Layout10x10_P1mm
  round 0.5 smd: A1(-4.518,4.494) A2(-3.519,4.494) A3(-2.519,4.494) A4(-1.518,4.494) A5(-0.519,4.494) A6(0.481,4.494) A7(1.481,4.494) A8(2.482,4.494) A9(3.482,4.494) A10(4.482,4.494) B1(-4.518,3.493) B2(-3.519,3.493) B3(-2.519,3.493) B4(-1.518,3.493) B5(-0.519,3.493) B6(0.481,3.493) B7(1.481,3.493) B8(2.482,3.493) B9(3.482,3.493) B10(4.482,3.493) C1(-4.518,2.493) C2(-3.519,2.493) C3(-2.519,2.493) C4(-1.518,2.493) C5(-0.519,2.493) C6(0.481,2.493) C7(1.481,2.493) C8(2.482,2.493) C9(3.482,2.493) C10(4.482,2.493) D1(-4.518,1.494) D2(-3.519,1.494) D3(-2.519,1.494) D4(-1.518,1.494) D5(-0.519,1.494) D6(0.481,1.494) D7(1.481,1.494) D8(2.482,1.494) D9(3.482,1.494) D10(4.482,1.494) E1(-4.518,0.493) E2(-3.519,0.493) E3(-2.519,0.493) E4(-1.518,0.493) E5(-0.519,0.493) E6(0.481,0.493) E7(1.481,0.493) E8(2.482,0.493) E9(3.482,0.493) E10(4.482,0.493) F1(-4.518,-0.506) F2(-3.519,-0.506) F3(-2.519,-0.506) F4(-1.518,-0.506) F5(-0.519,-0.506) F6(0.481,-0.506) F7(1.481,-0.506) F8(2.482,-0.506) F9(3.482,-0.506) F10(4.482,-0.506) G1(-4.518,-1.507) G2(-3.519,-1.507) G3(-2.519,-1.507) G4(-1.518,-1.507) G5(-0.519,-1.507) G6(0.481,-1.507) G7(1.481,-1.507) G8(2.482,-1.507) G9(3.482,-1.507) G10(4.482,-1.507) H1(-4.518,-2.507) H2(-3.519,-2.507) H3(-2.519,-2.507) H4(-1.518,-2.507) H5(-0.519,-2.507) H6(0.481,-2.507) H7(1.481,-2.507) H8(2.482,-2.507) H9(3.482,-2.507) H10(4.482,-2.507) J1(-4.518,-3.507) J2(-3.519,-3.507) J3(-2.519,-3.507) J4(-1.518,-3.507) J5(-0.519,-3.507) J6(0.481,-3.507) J7(1.481,-3.507) J8(2.482,-3.507) J9(3.482,-3.507) J10(4.482,-3.507) K1(-4.518,-4.506) K2(-3.519,-4.506) K3(-2.519,-4.506) K4(-1.518,-4.506) K5(-0.519,-4.506) K6(0.481,-4.506) K7(1.481,-4.506) K8(2.482,-4.506) K9(3.482,-4.506) K10(4.482,-4.506)
